# Altium PCB MAIN_BOARD.PcbDoc (part 1 of 4)
Units mm, origin at the board's own origin, x right, y up, seen from the top; angles counter-clockwise.
Board outline 130 x 120 mm, 4 copper layers (TOP, GND/INT_SIG_1, GND/INT_SIG_2, BOTTOM), stack 1.586 mm thick; 406 components, 346 nets, 1737 pads, 314 vias.
Unrouted connection lines stored in the file: 727.
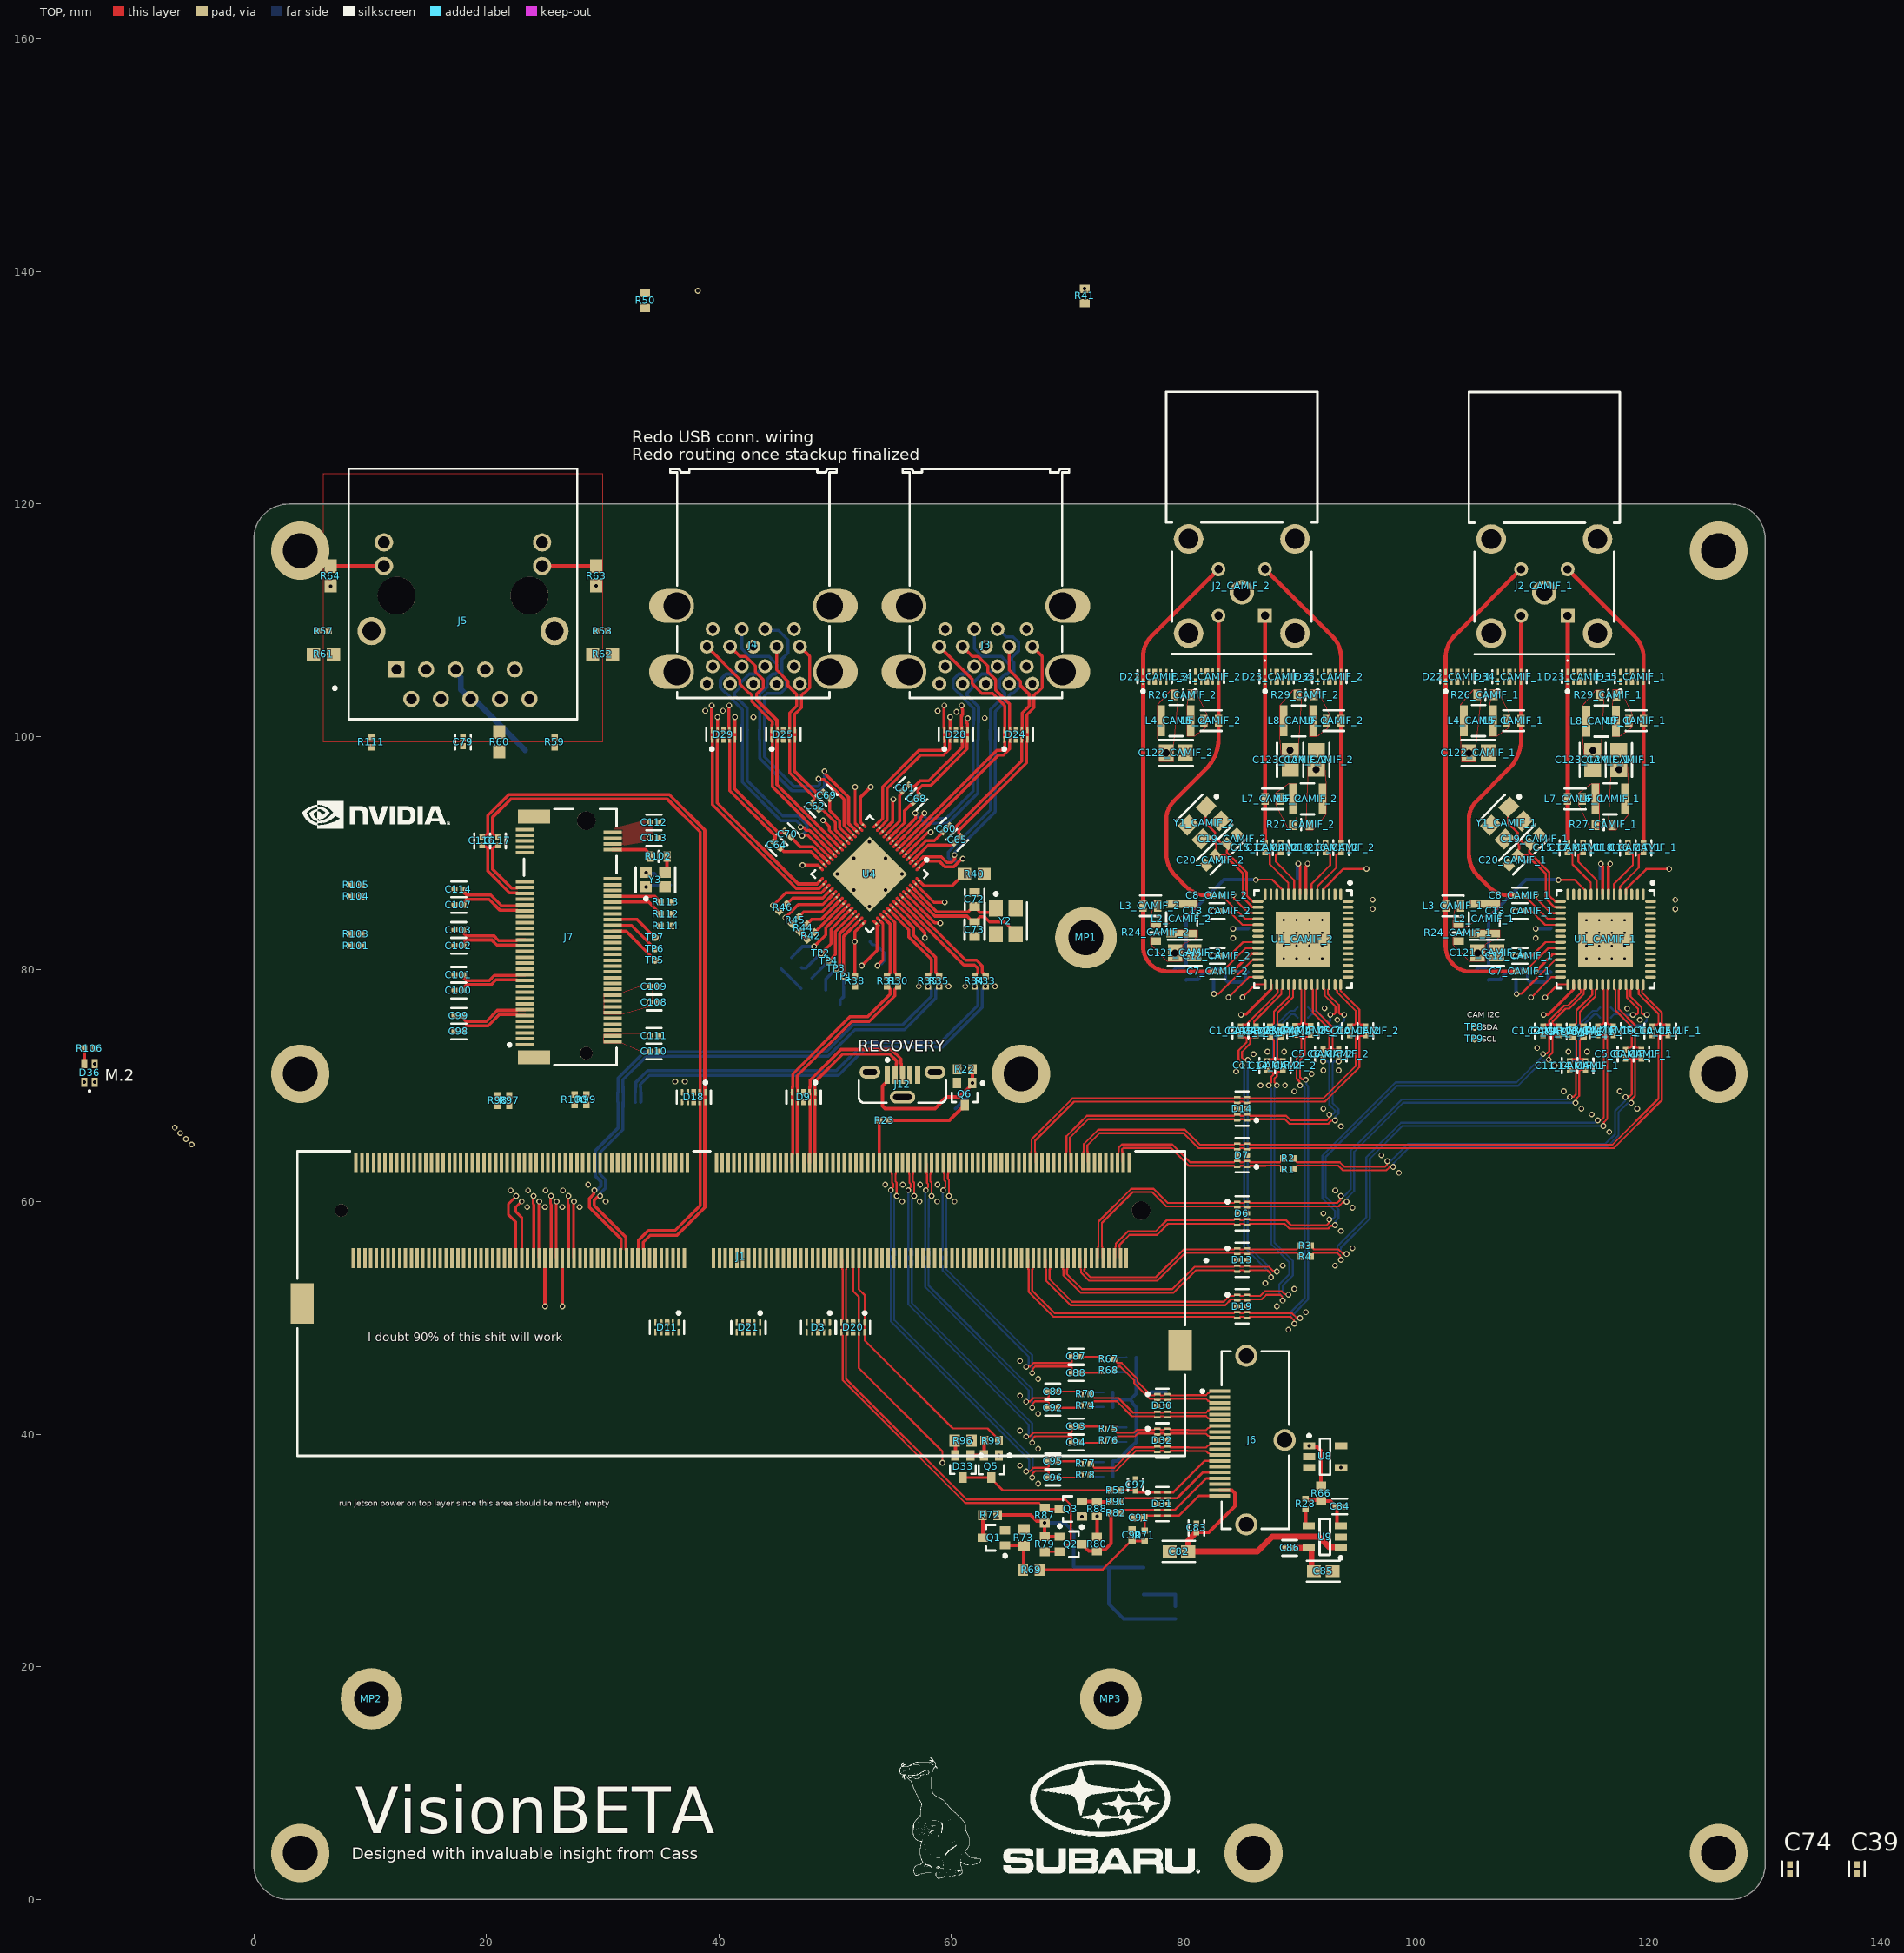
[diagram p0: TOP view]
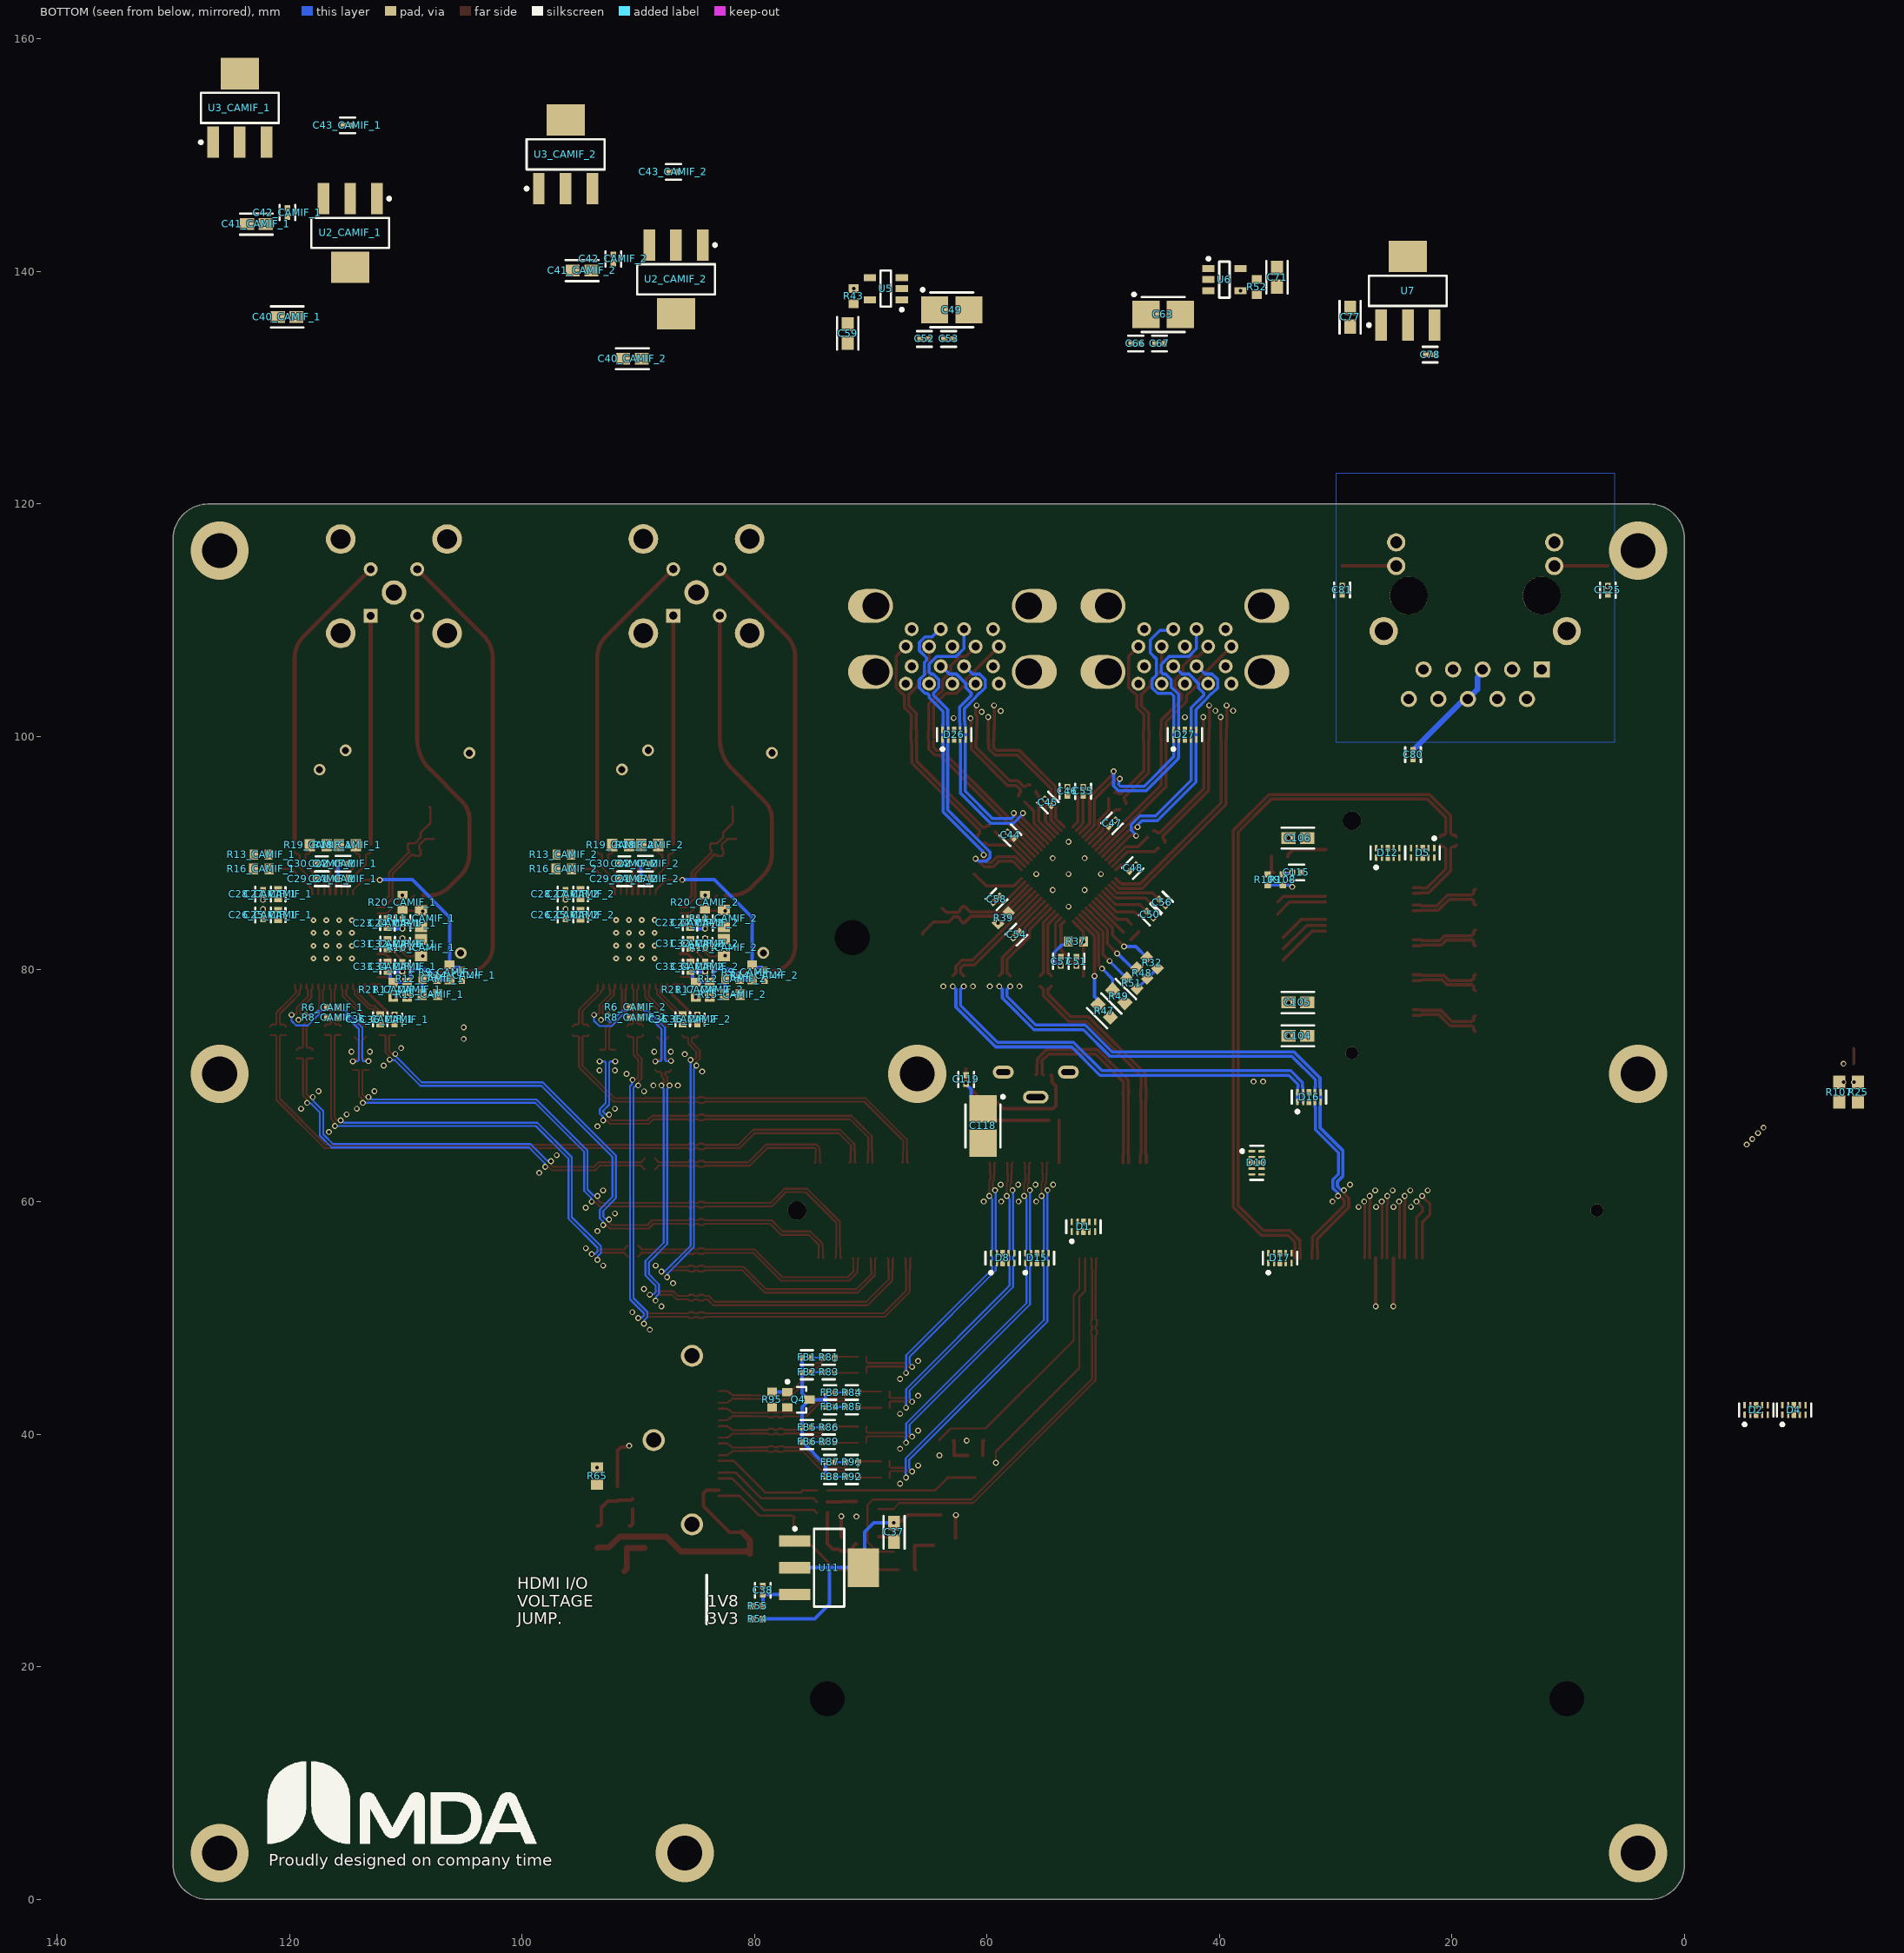
[diagram p1: BOTTOM view, seen from below]
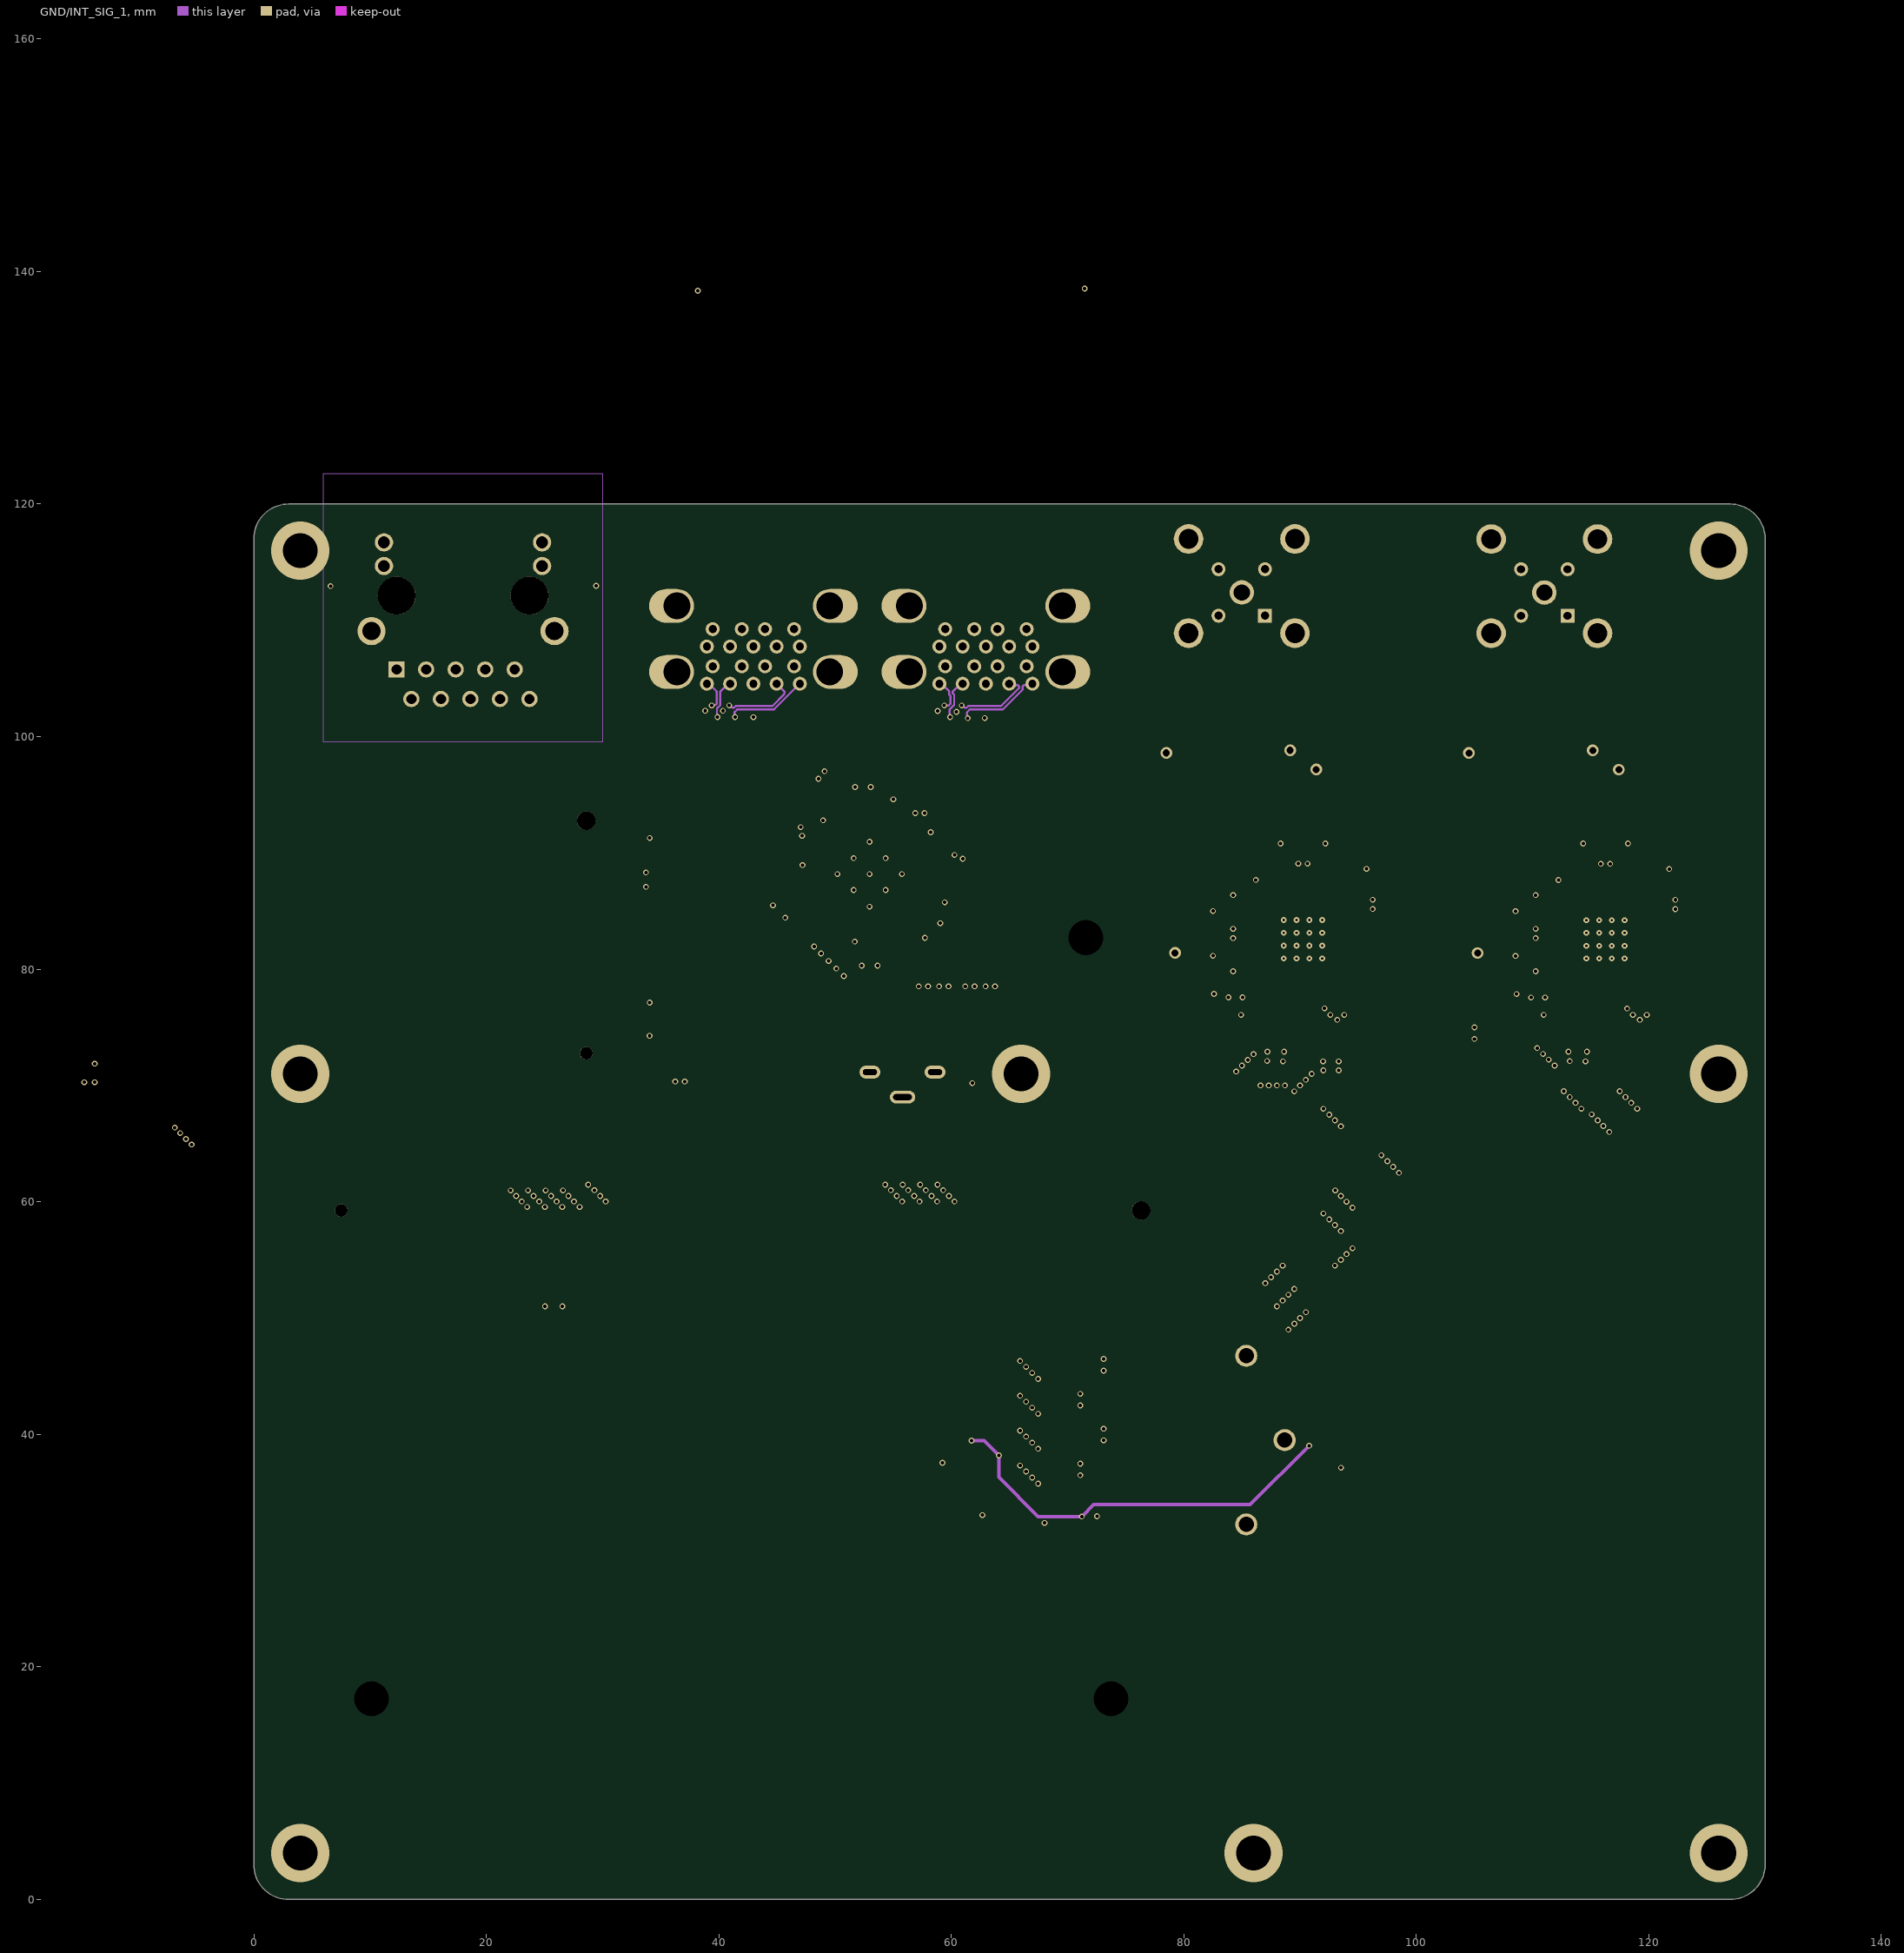
[diagram p2: GND/INT_SIG_1]